# Altium PCB pi4.PcbDoc (part 1 of 4) (continued)
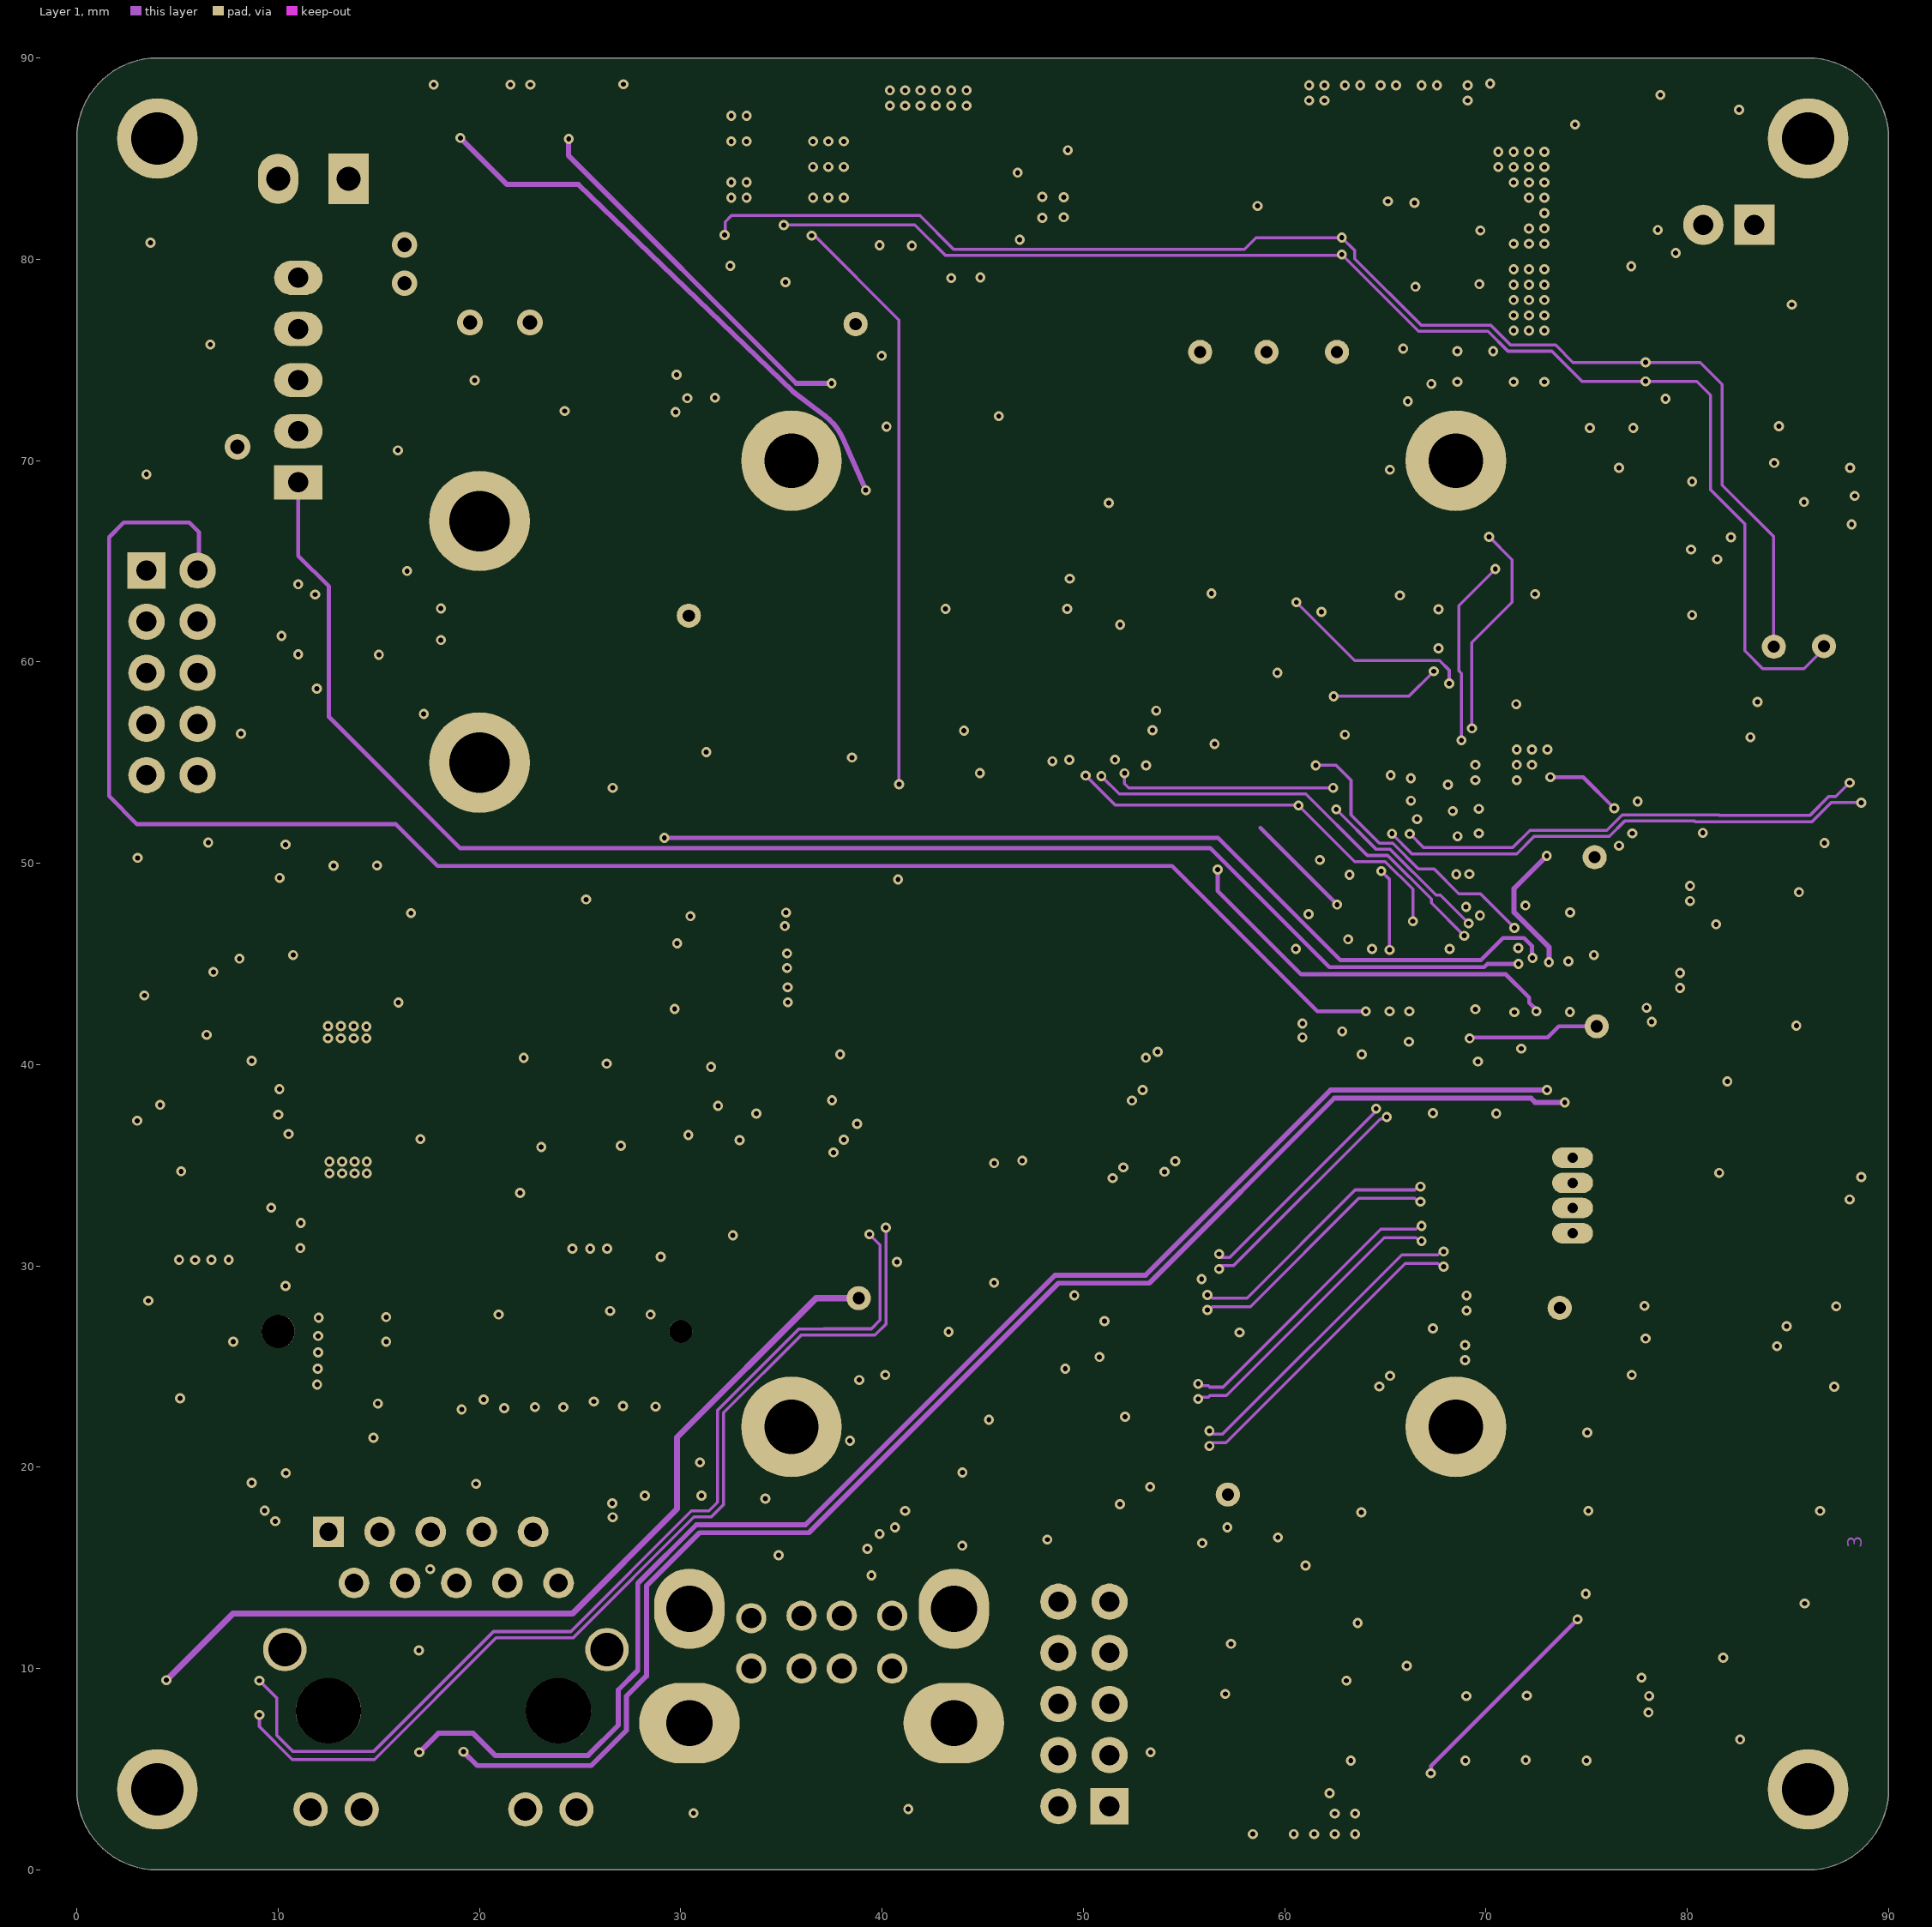
[diagram p3: Layer 1]
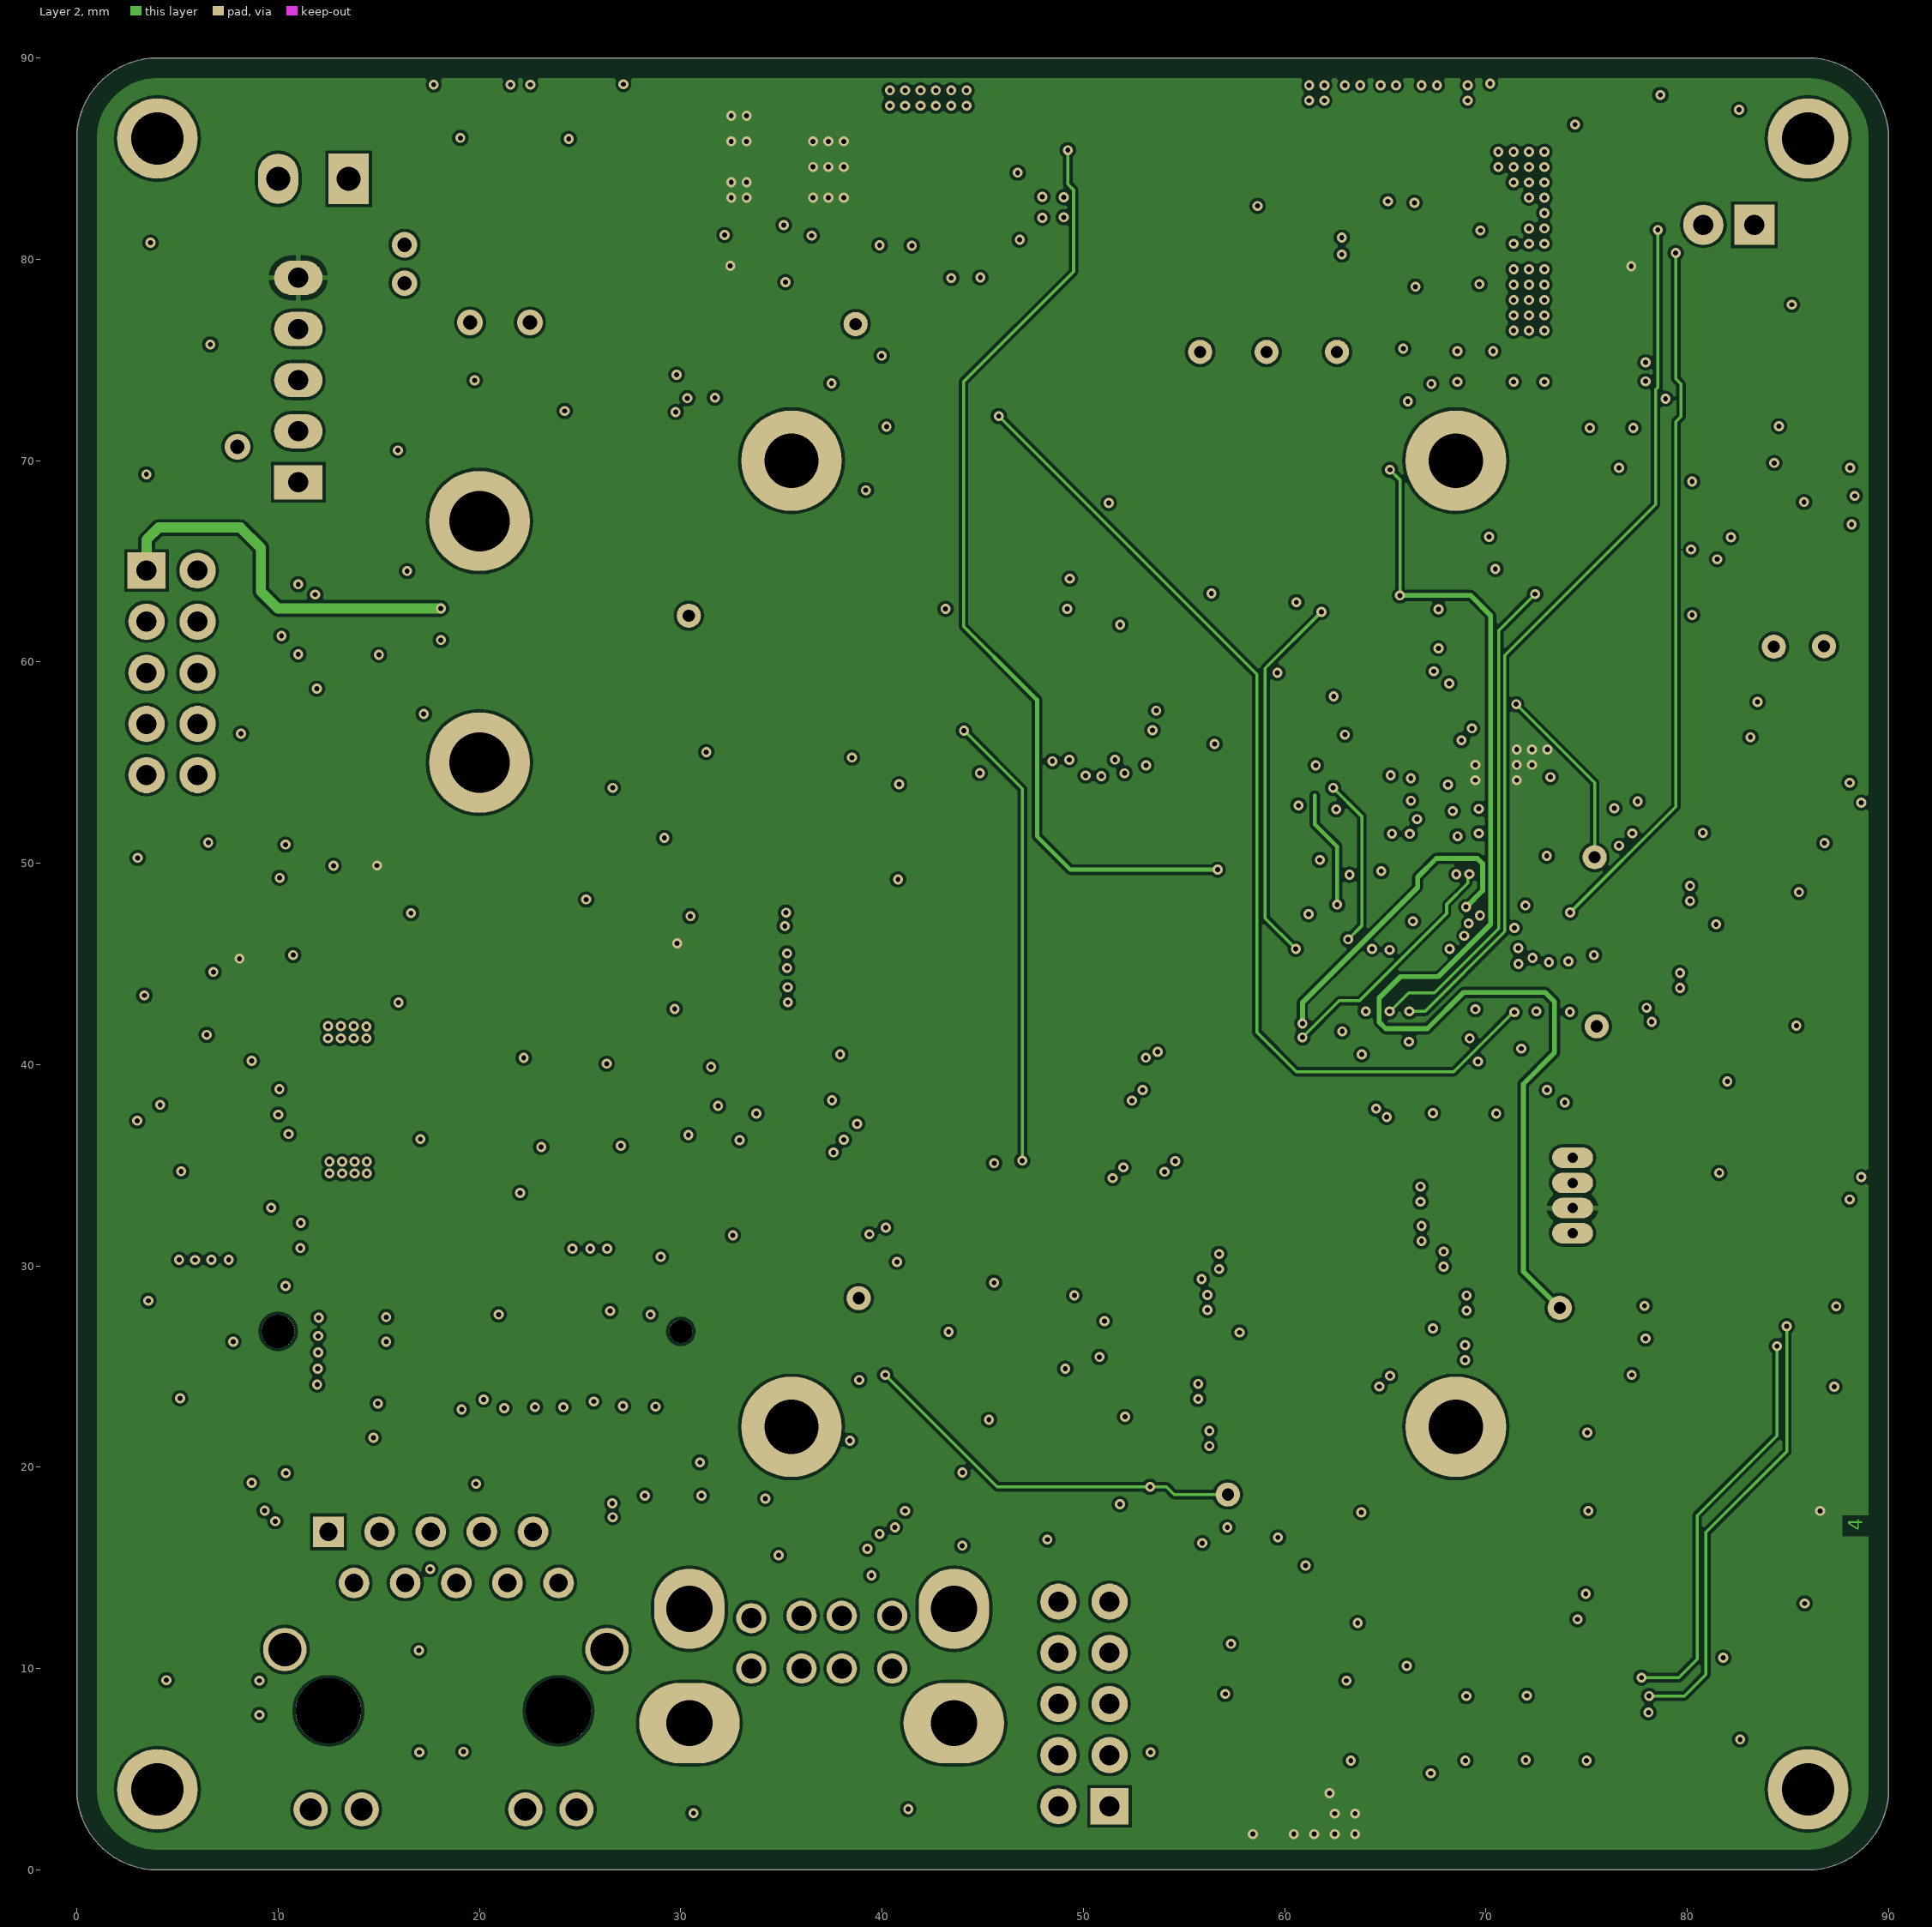
[diagram p4: Layer 2]
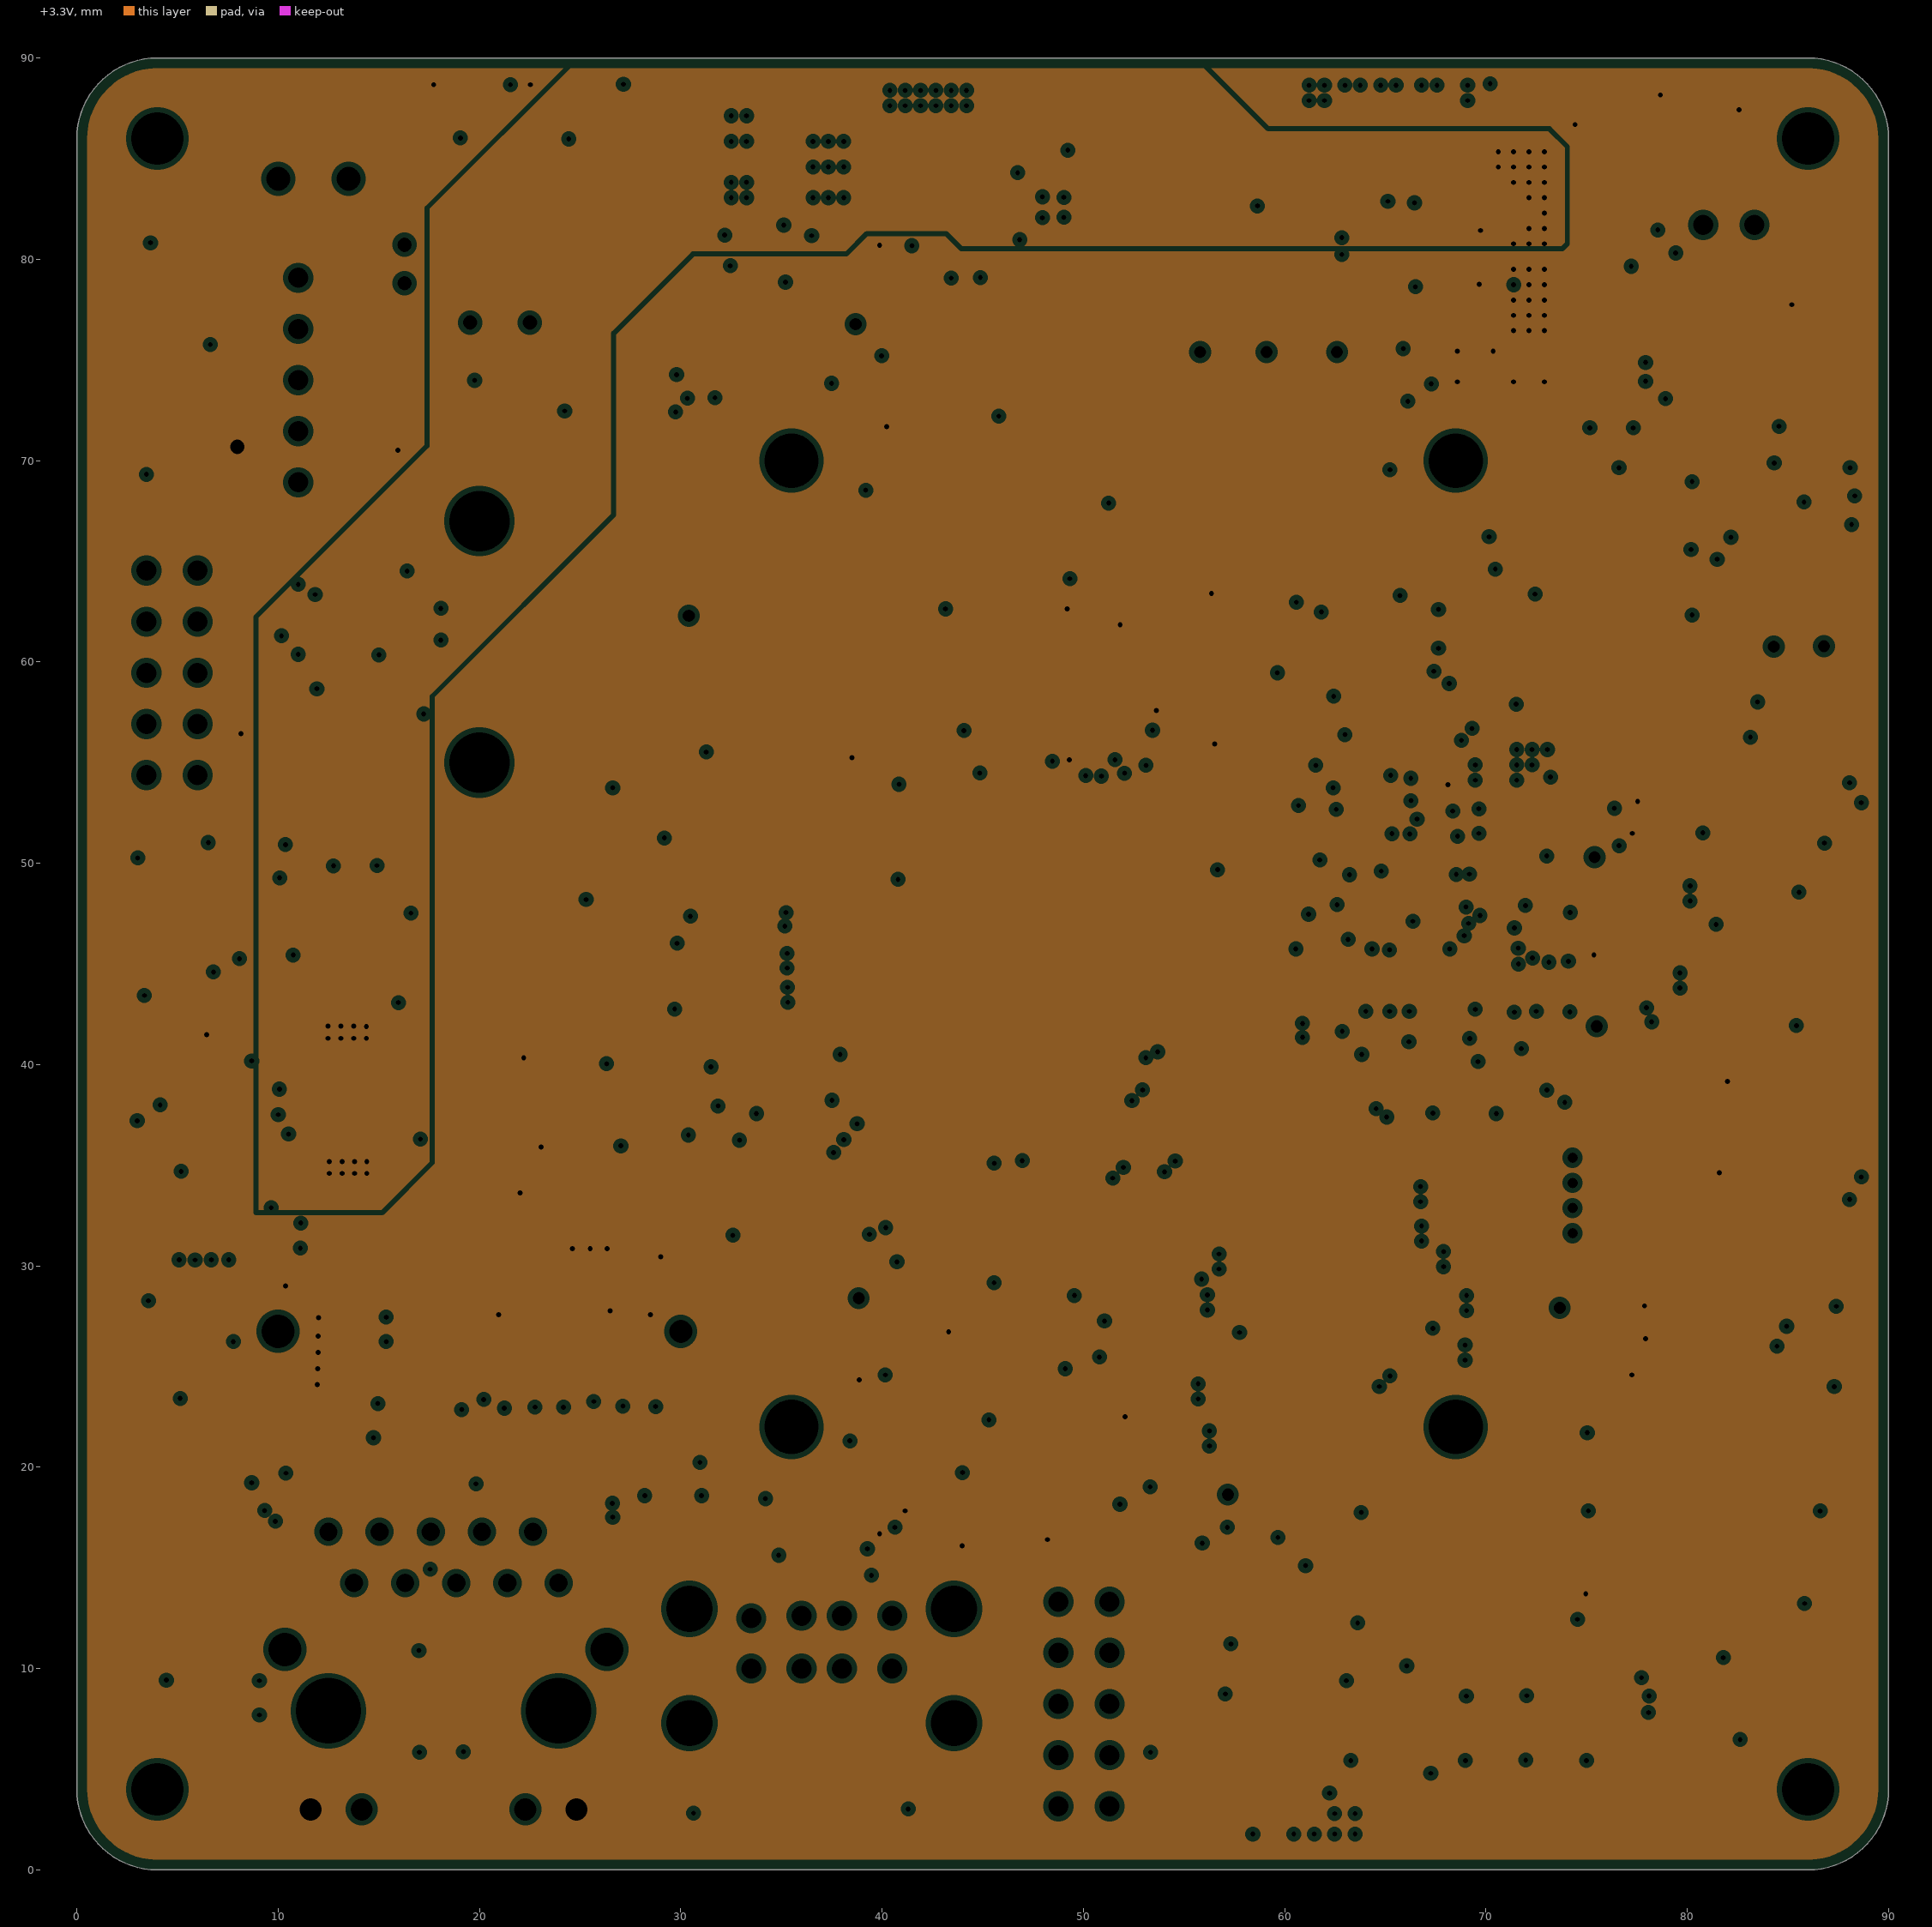
[diagram p5: +3.3V, clearances drawn from the general rule]

## Layer stack, top to bottom
Top Solder: solder mask 0.0102, SM-002, Dk 4
Top Layer: signal copper 0.018
Dielectric 2: prepreg 0.12, PR2116, Dk 3.48
GND: plane copper 0.035, net GND
Dielectric 4: core 0.51, FR4, Dk 4.1
Layer 1: signal copper 0.035
Dielectric 1: prepreg 0.14, PR1080, Dk 3.14
Layer 2: signal copper 0.035
Dielectric 5: core 0.51, FR4, Dk 4.1
+3.3V: plane copper 0.035, net (Multiple Nets)
Dielectric 3: prepreg 0.12, PR2116, Dk 3.48
Bottom Layer: signal copper 0.018
Bottom Solder: solder mask 0.0102, SM-002, Dk 4

## Board outline
0,4 ccw(c4,4) 4,0 86,0 ccw(c86,4) 90,4 90,86 ccw(c86,86) 86,90 4,90 ccw(c4,86) 0,86

## Design rules (kind name [scope] priority, off if disabled: settings)
BoardOutlineClearance [All] p1: gap=1 ignorepadtopadclearanceinfootprint=FALSE
Clearance Clearance_Fiducial [HasFootprint('FIDUCIAL')] p1: gap=1.1 ignorepadtopadclearanceinfootprint=FALSE
Clearance [All] p2: gap=0.15 ignorepadtopadclearanceinfootprint=FALSE
DiffPairsRouting "Schematic Differential Pairs Routing_30" [InDifferentialPairClass('MIPI')] p1: maxlimit=0.272 minlimit=0.15 mostfreqgap=0.272 toplayer_maxgap=0.15 toplayer_prefgap=0.15 toplayer_minwidth=0.184 toplayer_maxwidth=0.184 toplayer_prefwidth=0.184 midlayer1_mingap=0.272 midlayer1_minwidth=0.15 midlayer1_maxwidth=0.15 midlayer1_prefwidth=0.15 midlayer2_mingap=0.272 midlayer2_minwidth=0.15 midlayer2_maxwidth=0.15 midlayer2_prefwidth=0.15 bottomlayer_maxgap=0.15 bottomlayer_prefgap=0.15 bottomlayer_minwidth=0.184 bottomlayer_maxwidth=0.184 bottomlayer_prefwidth=0.184 impedanceprofiledriven=TRUE impedanceprofileid={F13DCD6B-F68B-4D98-B6EB-AD26B4817353} impedanceprofilevalue=100.000000 maxuncoupledlength=12.7
DiffPairsRouting "Schematic Differential Pairs Routing_20" [InNetClass('ETH')] p2: maxlimit=0.272 minlimit=0.15 mostfreqgap=0.272 toplayer_maxgap=0.15 toplayer_prefgap=0.15 toplayer_minwidth=0.184 toplayer_maxwidth=0.184 toplayer_prefwidth=0.184 midlayer1_mingap=0.272 midlayer1_minwidth=0.15 midlayer1_maxwidth=0.15 midlayer1_prefwidth=0.15 midlayer2_mingap=0.272 midlayer2_minwidth=0.15 midlayer2_maxwidth=0.15 midlayer2_prefwidth=0.15 bottomlayer_maxgap=0.15 bottomlayer_prefgap=0.15 bottomlayer_minwidth=0.184 bottomlayer_maxwidth=0.184 bottomlayer_prefwidth=0.184 impedanceprofiledriven=TRUE impedanceprofileid={F13DCD6B-F68B-4D98-B6EB-AD26B4817353} impedanceprofilevalue=100.000000 maxuncoupledlength=12.7
DiffPairsRouting "Schematic Differential Pairs Routing_18" [InNet('USBD_N')] p3: maxlimit=0.163 minlimit=0.15 mostfreqgap=0.163 toplayer_maxgap=0.15 toplayer_prefgap=0.15 toplayer_minwidth=0.23 toplayer_maxwidth=0.23 toplayer_prefwidth=0.23 midlayer1_mingap=0.163 midlayer1_minwidth=0.15 midlayer1_maxwidth=0.15 midlayer1_prefwidth=0.15 midlayer2_mingap=0.163 midlayer2_minwidth=0.15 midlayer2_maxwidth=0.15 midlayer2_prefwidth=0.15 bottomlayer_maxgap=0.15 bottomlayer_prefgap=0.15 bottomlayer_minwidth=0.23 bottomlayer_maxwidth=0.23 bottomlayer_prefwidth=0.23 impedanceprofiledriven=TRUE impedanceprofileid={8BB9BB9D-3C6D-4E4D-91F2-CF04DFBE2990} impedanceprofilevalue=90.000000 maxuncoupledlength=12.7
DiffPairsRouting "Schematic Differential Pairs Routing_17" [InNet('USBD_P')] p4: maxlimit=0.163 minlimit=0.15 mostfreqgap=0.163 toplayer_maxgap=0.15 toplayer_prefgap=0.15 toplayer_minwidth=0.23 toplayer_maxwidth=0.23 toplayer_prefwidth=0.23 midlayer1_mingap=0.163 midlayer1_minwidth=0.15 midlayer1_maxwidth=0.15 midlayer1_prefwidth=0.15 midlayer2_mingap=0.163 midlayer2_minwidth=0.15 midlayer2_maxwidth=0.15 midlayer2_prefwidth=0.15 bottomlayer_maxgap=0.15 bottomlayer_prefgap=0.15 bottomlayer_minwidth=0.23 bottomlayer_maxwidth=0.23 bottomlayer_prefwidth=0.23 impedanceprofiledriven=TRUE impedanceprofileid={8BB9BB9D-3C6D-4E4D-91F2-CF04DFBE2990} impedanceprofilevalue=90.000000 maxuncoupledlength=12.7
DiffPairsRouting "Schematic Differential Pairs Routing_16" [InNet('USB_P')] p5: maxlimit=0.163 minlimit=0.15 mostfreqgap=0.163 toplayer_maxgap=0.15 toplayer_prefgap=0.15 toplayer_minwidth=0.23 toplayer_maxwidth=0.23 toplayer_prefwidth=0.23 midlayer1_mingap=0.163 midlayer1_minwidth=0.15 midlayer1_maxwidth=0.15 midlayer1_prefwidth=0.15 midlayer2_mingap=0.163 midlayer2_minwidth=0.15 midlayer2_maxwidth=0.15 midlayer2_prefwidth=0.15 bottomlayer_maxgap=0.15 bottomlayer_prefgap=0.15 bottomlayer_minwidth=0.23 bottomlayer_maxwidth=0.23 bottomlayer_prefwidth=0.23 impedanceprofiledriven=TRUE impedanceprofileid={8BB9BB9D-3C6D-4E4D-91F2-CF04DFBE2990} impedanceprofilevalue=90.000000 maxuncoupledlength=12.7
DiffPairsRouting "Schematic Differential Pairs Routing_15" [InNet('USB_N')] p6: maxlimit=0.163 minlimit=0.15 mostfreqgap=0.163 toplayer_maxgap=0.15 toplayer_prefgap=0.15 toplayer_minwidth=0.23 toplayer_maxwidth=0.23 toplayer_prefwidth=0.23 midlayer1_mingap=0.163 midlayer1_minwidth=0.15 midlayer1_maxwidth=0.15 midlayer1_prefwidth=0.15 midlayer2_mingap=0.163 midlayer2_minwidth=0.15 midlayer2_maxwidth=0.15 midlayer2_prefwidth=0.15 bottomlayer_maxgap=0.15 bottomlayer_prefgap=0.15 bottomlayer_minwidth=0.23 bottomlayer_maxwidth=0.23 bottomlayer_prefwidth=0.23 impedanceprofiledriven=TRUE impedanceprofileid={8BB9BB9D-3C6D-4E4D-91F2-CF04DFBE2990} impedanceprofilevalue=90.000000 maxuncoupledlength=12.7
DiffPairsRouting "Schematic Differential Pairs Routing_14" [InDifferentialPairClass('USB')] p7: maxlimit=0.163 minlimit=0.15 mostfreqgap=0.163 toplayer_maxgap=0.15 toplayer_prefgap=0.15 toplayer_minwidth=0.23 toplayer_maxwidth=0.23 toplayer_prefwidth=0.23 midlayer1_mingap=0.163 midlayer1_minwidth=0.15 midlayer1_maxwidth=0.15 midlayer1_prefwidth=0.15 midlayer2_mingap=0.163 midlayer2_minwidth=0.15 midlayer2_maxwidth=0.15 midlayer2_prefwidth=0.15 bottomlayer_maxgap=0.15 bottomlayer_prefgap=0.15 bottomlayer_minwidth=0.23 bottomlayer_maxwidth=0.23 bottomlayer_prefwidth=0.23 impedanceprofiledriven=TRUE impedanceprofileid={8BB9BB9D-3C6D-4E4D-91F2-CF04DFBE2990} impedanceprofilevalue=90.000000 maxuncoupledlength=12.7
DiffPairsRouting "Schematic Differential Pairs Routing_6" [InNetClass('PCIe')] p8: maxlimit=0.15 minlimit=0.15 mostfreqgap=0.15 toplayer_minwidth=0.259 toplayer_maxwidth=0.259 toplayer_prefwidth=0.259 midlayer1_minwidth=0.166 midlayer1_maxwidth=0.166 midlayer1_prefwidth=0.166 midlayer2_minwidth=0.166 midlayer2_maxwidth=0.166 midlayer2_prefwidth=0.166 bottomlayer_minwidth=0.259 bottomlayer_maxwidth=0.259 bottomlayer_prefwidth=0.259 impedanceprofiledriven=TRUE impedanceprofileid={4FDCBD94-CDA8-4C73-B5BC-D273CE6CBF83} impedanceprofilevalue=85.000000 maxuncoupledlength=12.7
DiffPairsRouting "Schematic Differential Pairs Routing_5" [InDifferentialPairClass('MIPI')] p9: maxlimit=0.272 minlimit=0.15 mostfreqgap=0.272 toplayer_maxgap=0.15 toplayer_prefgap=0.15 toplayer_minwidth=0.184 toplayer_maxwidth=0.184 toplayer_prefwidth=0.184 midlayer1_mingap=0.272 midlayer1_minwidth=0.15 midlayer1_maxwidth=0.15 midlayer1_prefwidth=0.15 midlayer2_mingap=0.272 midlayer2_minwidth=0.15 midlayer2_maxwidth=0.15 midlayer2_prefwidth=0.15 bottomlayer_maxgap=0.15 bottomlayer_prefgap=0.15 bottomlayer_minwidth=0.184 bottomlayer_maxwidth=0.184 bottomlayer_prefwidth=0.184 impedanceprofiledriven=TRUE impedanceprofileid={F13DCD6B-F68B-4D98-B6EB-AD26B4817353} impedanceprofilevalue=100.000000 maxuncoupledlength=12.7
DiffPairsRouting [All] p10: maxlimit=5 minlimit=0.15 mostfreqgap=0.15 toplayer_minwidth=0.15 toplayer_maxwidth=0.381 toplayer_prefwidth=0.15 midlayer1_minwidth=0.15 midlayer1_maxwidth=0.381 midlayer1_prefwidth=0.15 midlayer2_minwidth=0.15 midlayer2_maxwidth=0.381 midlayer2_prefwidth=0.15 bottomlayer_minwidth=0.15 bottomlayer_maxwidth=0.381 bottomlayer_prefwidth=0.15 maxuncoupledlength=12.7
HoleSize [All] p1: absolutevalues=TRUE maxlimit=5 minlimit=0.25 maxpercent=80.000 minpercent=20.000
HoleToHoleClearance [All] p1: gap=0.25 allowstackedmicrovias=TRUE
MatchedLengths "Schematic Matched Net Lengths_12" [InNetClass('ETH')] p1: tolerance=0.076 checknetsindiffpair=FALSE checkdiffpairvsdiffpair=TRUE checkxsignals=TRUE checkothers=TRUE
MatchedLengths "Schematic Matched Net Lengths_11" [InNetClass('SD')] p2: tolerance=0.508 checknetsindiffpair=FALSE checkdiffpairvsdiffpair=TRUE checkxsignals=TRUE checkothers=TRUE
MatchedLengths "Schematic Matched Net Lengths_10" [InNetClass('PCIe')] p3: tolerance=0.127 checknetsindiffpair=FALSE checkdiffpairvsdiffpair=TRUE checkxsignals=TRUE checkothers=TRUE
MatchedLengths "Schematic Matched Net Lengths_9" [InNet('USBD_N')] p4: tolerance=0.254 checknetsindiffpair=FALSE checkdiffpairvsdiffpair=TRUE checkxsignals=TRUE checkothers=TRUE
MatchedLengths "Schematic Matched Net Lengths_8" [InNet('USBD_P')] p5: tolerance=0.254 checknetsindiffpair=FALSE checkdiffpairvsdiffpair=TRUE checkxsignals=TRUE checkothers=TRUE
MatchedLengths "Schematic Matched Net Lengths_7" [InDifferentialPairClass('USB')] p6: tolerance=0.076 checknetsindiffpair=TRUE checkdiffpairvsdiffpair=FALSE checkxsignals=FALSE checkothers=FALSE
MaxMinImpedance "Schematic Impedance Constraint_16" [InNetClass('SD')] p1: minimum=43.00 maximum=57.00
MaxMinImpedance "Schematic Impedance Constraint_14" [InNet('USB_P')] p2: minimum=85.00 maximum=95.00
MaxMinImpedance "Schematic Impedance Constraint_13" [InNet('USB_N')] p3: minimum=85.00 maximum=95.00
MaxMinImpedance "Schematic Impedance Constraint_12" [InDifferentialPairClass('USB')] p4: minimum=85.00 maximum=95.00
MaxMinImpedance "Schematic Impedance Constraint_4" [InNet('USBD_N')] p5: minimum=85.00 maximum=95.00
MaxMinImpedance "Schematic Impedance Constraint_3" [InNet('USBD_P')] p6: minimum=85.00 maximum=95.00
MaxMinImpedance "Schematic Impedance Constraint_2" [InNet('CAN_N')] p7: minimum=50.00 maximum=70.00
MaxMinImpedance "Schematic Impedance Constraint_1" [InNet('CAN_P')] p8: minimum=50.00 maximum=70.00
MaxMinImpedance "Schematic Impedance Constraint" [InNetClass('PCIe')] p9: minimum=90.00 maximum=105.0
MaxMinImpedance [All] p10: minimum=80.00 maximum=90.00
MinimumSolderMaskSliver [All] p1: minsoldermaskwidth=0.07
PlaneClearance [All] p1: clearance=0.25
PlaneConnect [All] p1: planeconnectstyle=Direct reliefexpansion=0.508 reliefentries=4 reliefconductorwidth=0.254 reliefairgap=0.254
PolygonConnect "Schematic Polygon Connect Style_2" [InNet('NetC6_2')] p1: connectstyle=Direct reliefconductorwidth=0.254 reliefentries=4 polygonreliefangle="45 Angle" airgapwidth=0.254
PolygonConnect "Schematic Polygon Connect Style_16" [InComponent('C10')] p2: connectstyle=Direct reliefconductorwidth=0.254 reliefentries=4 polygonreliefangle="45 Angle" airgapwidth=0.254
PolygonConnect "Schematic Polygon Connect Style_15" [InComponent('C11')] p3: connectstyle=Direct reliefconductorwidth=0.254 reliefentries=4 polygonreliefangle="45 Angle" airgapwidth=0.254
PolygonConnect "Schematic Polygon Connect Style_14" [InComponent('L1')] p4: connectstyle=Direct reliefconductorwidth=0.254 reliefentries=4 polygonreliefangle="45 Angle" airgapwidth=0.254
PolygonConnect "Schematic Polygon Connect Style_13" [InComponent('C7')] p5: connectstyle=Direct reliefconductorwidth=0.254 reliefentries=4 polygonreliefangle="45 Angle" airgapwidth=0.254